# Altium PCB RemoteControl.PcbDoc (part 1 of 2) (continued)
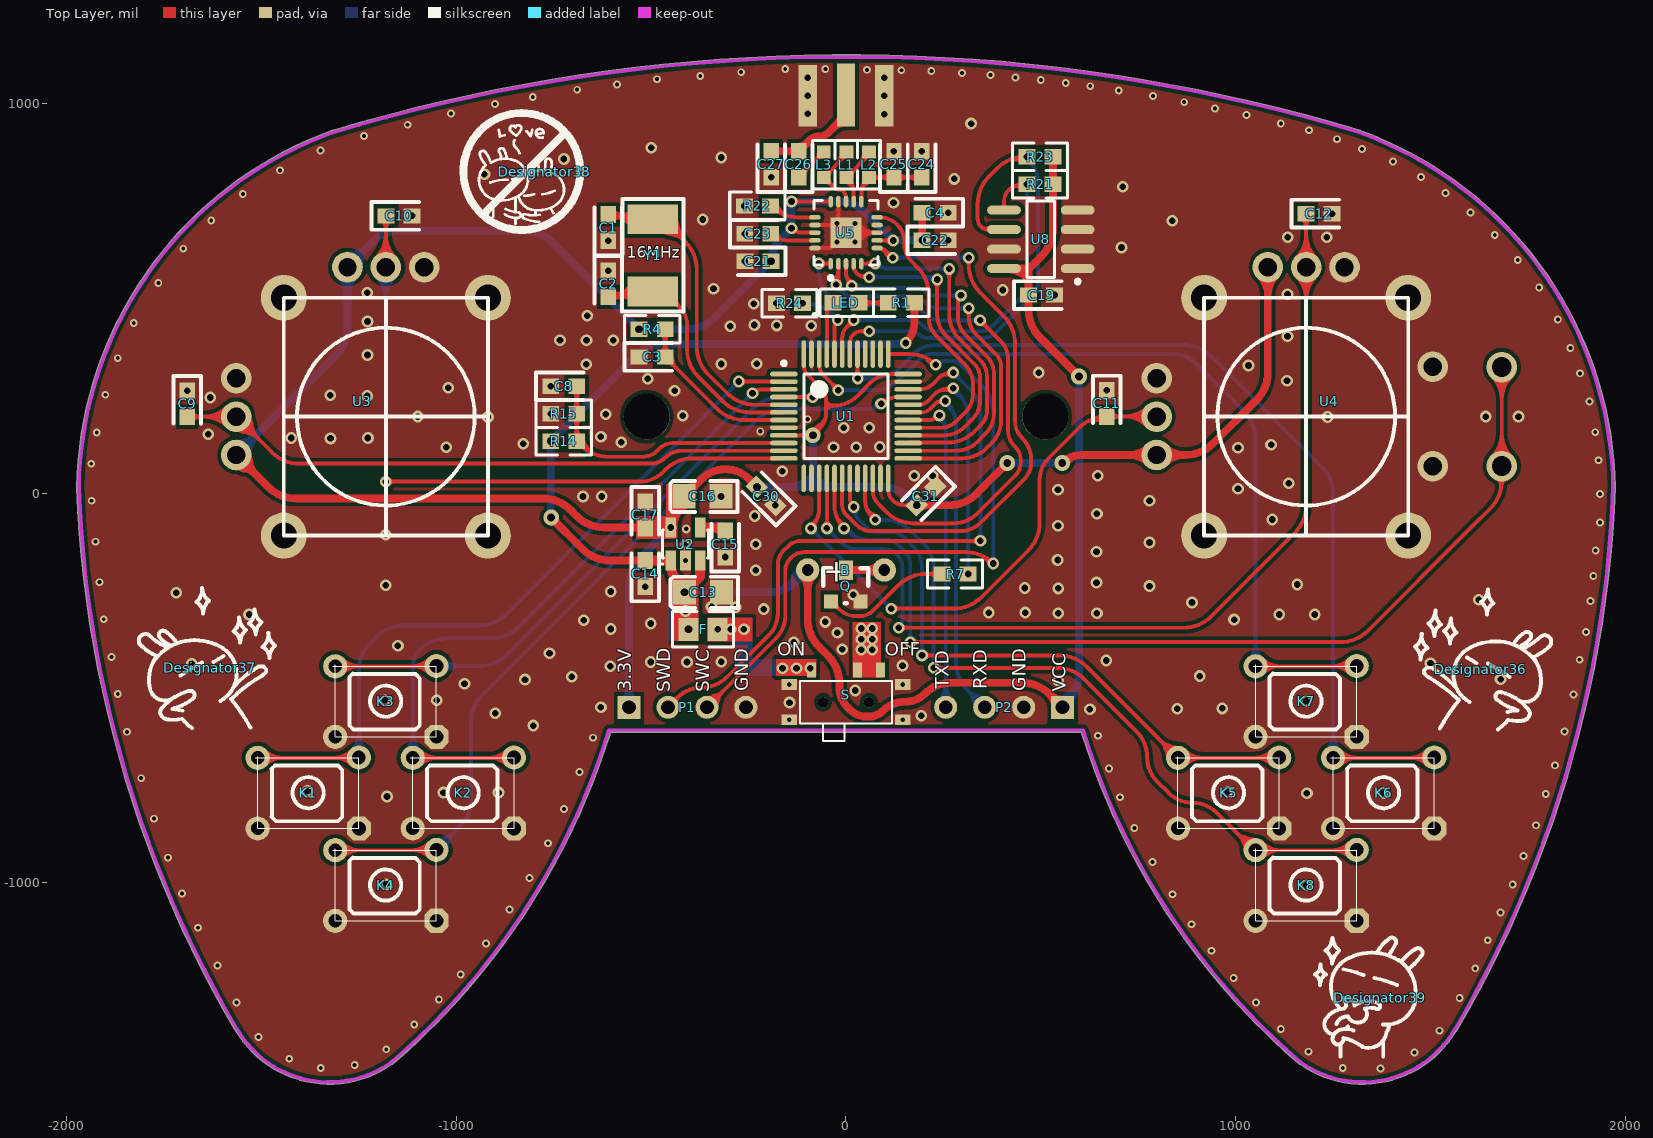
[diagram p0: Top Layer view]
## Nets (pads, with @x,y where several pads share a name; then routed paths per layer and width w, separated by ;. In a path a pad name is that pad's centre, name@x,y a point inside that pad or via, vN(x,y) a via of type N, cw(c..) or ccw(c..) an arc to the next point about the centre after c; other vN are vias at no path point) (continued)
  Bottom Layer w20: U3.1@-1564.96,98.43 -1308.82,354.57 ccw(c-1379.53,425.28) -1279.53,425.28 ; -1279.53,465 -1279.53,425.28 ; P1.1@-557,-549 -557,-236.7 cw(c-457,-236.7) -527.71,-165.98 v1(-449.4,-87.68) ; v3(-228.66,16.66) -150,16.66 ; v3(-85,149) -85,44 ; 71,699 50.29,719.71 ; 156.81,-7.49 ccw(c179.68,5.71) v3@180.88,-20.67 ; v3(181.34,-30.66) 163.3,-12.63 ccw(c92.59,-83.34) 92.59,16.66 -21.41,16.66 ; v3(195.54,649.6) 121.6,649.6 v1(121,649) 50.29,719.71 ; v3(414,78) v3(555,78) ; -1514.82,148.56 ccw(c-1464.68,98.43) -1535.59,98.43 cw(c-1464.68,98.43) -1514.82,148.56 ; -1514.82,148.56 cw(c-1564.96,198.7) -1564.96,127.8 ccw(c-1564.96,198.7) -1514.82,148.56 ; -1279.53,425.28 U3.4@-1279.53,580.71 -1215.53,644.71 cw(c-1144.81,574) -1144.81,674 -825.35,674 cw(c-825.35,574) -754.64,644.71 v3(-530.93,421) -408.56,421 ccw(c-408.56,521) -337.84,450.29 v3(-192.54,595.6) cw(c-115.6,595.6) -170,650 v1(-140,680) v1(-140,749) -20.42,749 cw(c-20.42,649) 50.29,719.71 ; -1279.53,509.8 ccw(c-1350.43,509.8) -1300.3,559.94 cw(c-1350.43,509.8) -1279.53,509.8 ; -1279.53,509.8 cw(c-1208.62,509.8) -1258.76,559.94 ccw(c-1208.62,509.8) -1279.53,509.8 ; -1229.39,630.85 ccw(c-1179.25,580.71) -1250.16,580.71 cw(c-1179.25,580.71) -1229.39,630.85 ; -1229.39,630.85 cw(c-1279.53,680.98) -1279.53,610.08 ccw(c-1279.53,680.98) -1229.39,630.85 ; -557,-501.86 ccw(c-509.86,-501.86) -543.19,-535.19 cw(c-509.86,-501.86) -557,-501.86 ; -557,-501.86 cw(c-604.14,-501.86) -570.81,-535.19 ccw(c-604.14,-501.86) -557,-501.86 ; -548,438.07 ccw(c-530.93,455.14) -530.93,431 cw(c-530.93,455.14) -548,438.07 ; -548,438.07 cw(c-565.07,421) -540.93,421 ccw(c-565.07,421) -548,438.07 ; -506.79,421 ccw(c-506.79,396.86) -523.86,413.93 cw(c-506.79,396.86) -506.79,421 ; -506.79,421 cw(c-506.79,445.14) -523.86,428.07 ccw(c-506.79,445.14) -506.79,421 ; -209.61,578.53 ccw(c-226.68,595.6) -202.54,595.6 cw(c-226.68,595.6) -209.61,578.53 ; -209.61,578.53 cw(c-192.54,561.46) -192.54,585.6 ccw(c-192.54,561.46) -209.61,578.53 ; -204.52,16.66 ccw(c-204.52,-7.48) -221.59,9.59 cw(c-204.52,-7.48) -204.52,16.66 ; -204.52,16.66 cw(c-204.52,40.81) -221.59,23.73 ccw(c-204.52,40.81) -204.52,16.66 ; -186.29,618.92 ccw(c-162.97,612.67) -183.88,600.6 cw(c-162.97,612.67) -186.29,618.92 ; -186.29,618.92 cw(c-209.61,625.17) -197.54,604.26 ccw(c-209.61,625.17) -186.29,618.92 ; -150,16.66 ccw(c-150,107.59) -85.7,43.3 ; -150,16.66 -85,16.66 ; -85.7,43.3 ccw(c-21.41,107.59) -85,42.6 ; -85.7,43.3 -85,44 ; -85,16.66 -21.41,16.66 ; -85,16.66 -85,42.6 ; -85,42.6 ccw(c-21.41,107.59) -21.41,16.66 ; -85,42.6 -85,44 ; -85,124.86 ccw(c-109.14,124.86) -92.07,141.93 cw(c-109.14,124.86) -85,124.86 ; -85,124.86 cw(c-60.86,124.86) -77.93,141.93 ccw(c-60.86,124.86) -85,124.86 ; 171.39,649.6 ccw(c171.39,673.74) 188.46,656.67 cw(c171.39,673.74) 171.39,649.6 ; 171.39,649.6 cw(c171.39,625.46) 188.46,642.53 ccw(c171.39,625.46) 171.39,649.6 ; 438.14,78 ccw(c438.14,53.86) 421.07,70.93 cw(c438.14,53.86) 438.14,78 ; 438.14,78 cw(c438.14,102.14) 421.07,85.07 ccw(c438.14,102.14) 438.14,78 ; 530.86,78 ccw(c530.86,102.14) 547.93,85.07 cw(c530.86,102.14) 530.86,78 ; 530.86,78 cw(c530.86,53.86) 547.93,70.93 ccw(c530.86,53.86) 530.86,78 ; 149.93,-4.9 cw(c126.59,-45.33) 171.68,-33.25 ccw(c126.59,-45.33) 149.93,-4.9
ADC: C8.2 R14.2 R15.1 U1.10 | length 1350
  Top Layer w10: C8.2@-691,275 R15.1@-691,204 R14.2@-691,134 -680.29,123.29 ccw(c-609.58,194) -609.58,94 -521.21,94 ccw(c-521.21,145.21) -485.01,108.99 -479.98,114.02 cw(c-443.54,77.54) -443.54,129.1 ; R14.2@-688.25,129.38 cw(c-684.46,107.1) -664.43,117.57 ; -415,129.1 -443.54,129.1 ; U1.10@-159.45,129.1 -443.54,129.1 ; -691,168.55 ccw(c-726.45,168.55) -701.38,193.62 cw(c-726.45,168.55) -691,168.55 ; -691,168.55 cw(c-655.55,168.55) -680.62,193.62 ccw(c-655.55,168.55) -691,168.55 ; -691,169.45 ccw(c-655.55,169.45) -680.62,144.38 cw(c-655.55,169.45) -691,169.45 ; -691,169.45 cw(c-726.45,169.45) -701.38,144.38 ccw(c-726.45,169.45) -691,169.45 ; -691,239.45 ccw(c-655.55,239.45) -680.62,214.38 cw(c-655.55,239.45) -691,239.45 ; -691,239.45 cw(c-726.45,239.45) -701.38,214.38 ccw(c-726.45,239.45) -691,239.45 ; -691,239.55 ccw(c-726.45,239.55) -701.38,264.62 cw(c-726.45,239.55) -691,239.55 ; -691,239.55 cw(c-655.55,239.55) -680.62,264.62 ccw(c-655.55,239.55) -691,239.55 ; R14.2@-685.83,119.67 cw(c-681.34,99.6) -670.32,116.97 ccw(c-681.34,99.6) R14.2@-685.83,119.67 ; R14.2@-684.46,135.02 ccw(c-658.89,140.74) -672.93,118.62 cw(c-658.89,140.74) R14.2@-684.46,135.02 ; R14.2@-674.7,137.21 ccw(c-625.57,148.19) -652.54,105.69 cw(c-625.57,148.19) R14.2@-674.7,137.21
ADC1: C9.2 U1.11 U3.2 | length 2927.4
  Top Layer w10: C9.2@-1691,196.54 -1690.69,196.85 U3.2@-1564.96,196.85 -1473.53,105.42 ccw(c-1402.81,176.13) -1402.81,76.13 -515,76.13 -502.41,76.13 ccw(c-502.41,132.96) -462.23,92.77 cw(c-422.04,52.59) -422.04,109.42 ; U3.2@-1580.27,193.71 ccw(c-1533.82,203.23) -1546.09,157.42 ; U3.2@-1570.48,195.72 ccw(c-1516.09,206.86) -1530.46,153.23 ; U3.2@-1565.07,192.48 cw(c-1565.97,157.89) -1532.55,166.85 ; U3.2@-1563.83,202.37 cw(c-1574.97,147.98) -1521.35,162.35 ; U3.2@-1561.82,212.16 cw(c-1571.34,165.71) -1525.53,177.98 ; U3.2@-1560.59,196.96 ccw(c-1526,197.86) -1534.96,164.44 ; -400,109.42 -422.04,109.42 ; U1.11@-159.45,109.42 -422.04,109.42 ; -1647.94,196.85 ccw(c-1647.94,279.83) -1589.26,221.15 cw(c-1647.94,279.83) -1647.94,196.85 ; -1647.94,196.85 cw(c-1647.94,113.87) -1589.26,172.55 ccw(c-1647.94,113.87) -1647.94,196.85 ; -1623.79,196.85 ccw(c-1623.79,255.68) -1582.19,214.08 cw(c-1623.79,255.68) -1623.79,196.85 ; -1623.79,196.85 cw(c-1623.79,138.02) -1582.19,179.62 ccw(c-1623.79,138.02) -1623.79,196.85 ; -1523.36,155.25 ccw(c-1564.96,113.65) -1564.96,172.48 cw(c-1564.96,113.65) -1523.36,155.25 ; -1523.36,155.25 cw(c-1481.76,196.85) -1540.59,196.85 ccw(c-1481.76,196.85) -1523.36,155.25 ; -1506.29,138.18 ccw(c-1564.96,79.5) -1564.96,162.48 cw(c-1564.96,79.5) -1506.29,138.18 ; -1506.29,138.18 cw(c-1447.61,196.85) -1530.59,196.85 ccw(c-1447.61,196.85) -1506.29,138.18 ; C9.2@-1680.62,186.15 cw(c-1654.79,160.33) -1654.79,196.85 ccw(c-1654.79,160.33) C9.2@-1680.62,186.15 ; C9.2@-1680.62,206.92 ccw(c-1656.31,231.23) -1656.31,196.85 cw(c-1656.31,231.23) C9.2@-1680.62,206.92
ADC2: C10.1 U1.12 U3.5 | length 2881.5
  Top Layer w10: U3.5@-1181.1,580.71 -1181.1,711.36 C10.1@-1180.46,712 ; v1(-1181,30) -529.36,30 ccw(c-529.36,115.36) -469.04,54.96 ; -469,55 cw(c-529.36,115.36) -469.04,54.96 ; -463,61 cw(c-393.64,-8.36) -462.96,61.04 ; -387,89.73 -393.64,89.73 ; U1.12@-159.45,89.73 -393.64,89.73 ; -1181.1,639.54 ccw(c-1122.27,639.54) -1163.87,597.94 cw(c-1122.27,639.54) -1181.1,639.54 ; -1181.1,639.54 cw(c-1239.94,639.54) -1198.33,597.94 ccw(c-1239.94,639.54) -1181.1,639.54 ; -1181.1,663.68 ccw(c-1098.13,663.68) -1156.8,605.01 cw(c-1098.13,663.68) -1181.1,663.68 ; -1181.1,663.68 cw(c-1264.08,663.68) -1205.41,605.01 ccw(c-1264.08,663.68) -1181.1,663.68 ; -1156.86,30 ccw(c-1156.86,5.86) -1173.93,22.93 cw(c-1156.86,5.86) -1156.86,30 ; -1156.86,30 cw(c-1156.86,54.14) -1173.93,37.07 ccw(c-1156.86,54.14) -1156.86,30 ; -469.04,54.96 -462.96,61.04 ; -462.96,61.04 cw(c-393.64,-8.36) -393.64,89.73 ; C10.1@-1190.85,701.62 cw(c-1214.38,678.09) -1181.1,678.09 ccw(c-1214.38,678.09) C10.1@-1190.85,701.62 ; -1181.1,675.01 cw(c-1143.47,675.01) -1170.08,701.62 ccw(c-1143.47,675.01) -1181.1,675.01
  Bottom Layer w10: U3.5@-1181.1,580.71 -1181.1,30.1 v1(-1181,30) ; -1181.1,497.73 ccw(c-1264.08,497.73) -1205.41,556.4 cw(c-1264.08,497.73) -1181.1,497.73 ; -1181.1,497.73 cw(c-1098.13,497.73) -1156.8,556.4 ccw(c-1098.13,497.73) -1181.1,497.73 ; -1181.1,521.87 ccw(c-1239.94,521.87) -1198.33,563.48 cw(c-1239.94,521.87) -1181.1,521.87 ; -1181.1,521.87 cw(c-1122.27,521.87) -1163.87,563.48 ccw(c-1122.27,521.87) -1181.1,521.87 ; v1@-1188.07,37.07 ccw(c-1204.9,53.9) -1181.1,53.9 cw(c-1204.9,53.9) v1@-1188.07,37.07 ; -1181.1,54.39 ccw(c-1156.61,54.39) -1173.93,37.07 cw(c-1156.61,54.39) -1181.1,54.39
ADC3: 
ADC4: 
ADC5: C11.2 U1.15 U4.2 | length 2393.8
  Top Layer w10: v1(-90,-90) ccw(c-140.94,-39.06) -68.9,-39.06 ; -68.9,-20 -68.9,-39.06 ; U1.15@-68.9,38.55 -68.9,-39.06 ; v1(116,-296) 276.58,-296 ccw(c276.58,-196) 347.29,-266.71 467.71,-146.29 ccw(c397,-75.58) 497,-75.58 497,34.47 cw(c575.53,34.47) 519.98,89.98 596,166 598.25,168.25 cw(c668.96,97.54) C11.2@669,197.54 ; C11.2@669,197.54 796.56,197.54 U4.2@797.24,196.85 ; 140.14,-296 ccw(c140.14,-320.14) 123.07,-303.07 cw(c140.14,-320.14) 140.14,-296 ; 140.14,-296 cw(c140.14,-271.86) 123.07,-288.93 ccw(c140.14,-271.86) 140.14,-296 ; 704.45,197.54 ccw(c704.45,162.08) 679.38,187.15 cw(c704.45,162.08) 704.45,197.54 ; 704.45,197.54 cw(c704.45,232.99) 679.38,207.92 ccw(c704.45,232.99) 704.45,197.54 ; v1@-92.59,-80.34 ccw(c-98.87,-56.99) -77.92,-69.07 cw(c-98.87,-56.99) v1@-92.59,-80.34 ; v1@-80.34,-87.41 cw(c-57.07,-81.15) -77.95,-69.12 ccw(c-57.07,-81.15) v1@-80.34,-87.41 ; 629.7,187.46 cw(c640.15,146.78) 661.52,182.93 ccw(c640.15,146.78) 629.7,187.46 ; 638.67,189.76 ccw(c631.48,217.76) 656.36,203.04 cw(c631.48,217.76) 638.67,189.76 ; 712.61,197.54 cw(c712.61,112.22) 772.94,172.55 ccw(c712.61,112.22) 712.61,197.54 ; 715.92,197.54 ccw(c715.92,278.17) 772.94,221.15 cw(c715.92,278.17) 715.92,197.54 ; 736.75,197.54 cw(c736.75,136.36) 780.01,179.62 ccw(c736.75,136.36) 736.75,197.54 ; 740.07,197.54 ccw(c740.07,254.03) 780.01,214.08 cw(c740.07,254.03) 740.07,197.54
  Bottom Layer w10: v1(-90,-90) v1(116,-296) ; -72.93,-107.07 ccw(c-90,-124.14) -90,-100 cw(c-90,-124.14) -72.93,-107.07 ; -72.93,-107.07 cw(c-55.86,-90) -80,-90 ccw(c-55.86,-90) -72.93,-107.07 ; 98.93,-278.93 ccw(c116,-261.86) 116,-286 cw(c116,-261.86) 98.93,-278.93 ; 98.93,-278.93 cw(c81.86,-296) 106,-296 ccw(c81.86,-296) 98.93,-278.93
ADC6: C12.1 U1.16 U4.5 | length 3771.3
  Top Layer w10: U1.16@-49.21,38.55 -49.21,-89.79 v1(-49,-90) ; v1(135,-345) 866.58,-345 ccw(c866.58,-245) 937.29,-315.71 1127,-126 1151.81,-101.19 ccw(c1081.1,-30.48) 1181.1,-30.48 ; C12.1@1180.54,718 1181.1,717.43 U4.5@1181.1,580.71 1181.1,-30.48 ; 1181.1,-17 1181.1,-30.48 ; 159.14,-345 ccw(c159.14,-369.14) 142.07,-352.07 cw(c159.14,-369.14) 159.14,-345 ; 159.14,-345 cw(c159.14,-320.86) 142.07,-337.93 ccw(c159.14,-320.86) 159.14,-345 ; 1181.1,497.73 ccw(c1098.13,497.73) 1156.8,556.4 cw(c1098.13,497.73) 1181.1,497.73 ; 1181.1,497.73 cw(c1264.08,497.73) 1205.41,556.4 ccw(c1264.08,497.73) 1181.1,497.73 ; 1181.1,521.87 ccw(c1122.27,521.87) 1163.87,563.48 cw(c1122.27,521.87) 1181.1,521.87 ; 1181.1,521.87 cw(c1239.94,521.87) 1198.33,563.48 ccw(c1239.94,521.87) 1181.1,521.87 ; 1181.1,639.54 ccw(c1239.94,639.54) 1198.33,597.94 cw(c1239.94,639.54) 1181.1,639.54 ; 1181.1,639.54 cw(c1122.27,639.54) 1163.87,597.94 ccw(c1122.27,639.54) 1181.1,639.54 ; 1181.1,663.68 ccw(c1264.08,663.68) 1205.41,605.01 cw(c1264.08,663.68) 1181.1,663.68 ; 1181.1,663.68 cw(c1098.13,663.68) 1156.8,605.01 ccw(c1098.13,663.68) 1181.1,663.68 ; v1@-56.07,-82.93 ccw(c-72.63,-66.37) -49.21,-66.37 cw(c-72.63,-66.37) v1@-56.07,-82.93 ; -49.21,-65.35 ccw(c-24.35,-65.35) -41.93,-82.93 cw(c-24.35,-65.35) -49.21,-65.35 ; C12.1@1170.15,707.62 cw(c1143.72,681.18) 1181.1,681.18 ccw(c1143.72,681.18) C12.1@1170.15,707.62 ; 1181.1,683.91 cw(c1214.62,683.91) 1190.92,707.62 ccw(c1214.62,683.91) 1181.1,683.91
  Bottom Layer w10: v1(-49,-90) -12.97,-126.03 ccw(c28.04,-84.96) 28.04,-143 97.2,-143 cw(c97.2,-190.8) 131,-157 cw(c97.2,-190.8) 145,-190.8 145,-320.86 ; v1(135,-345) ccw(c110.86,-320.86) 145,-320.86 ; 145,-304 145,-320.86 ; -31.93,-107.07 ccw(c-49,-124.14) -49,-100 cw(c-49,-124.14) -31.93,-107.07 ; -31.93,-107.07 cw(c-14.86,-90) -39,-90 ccw(c-14.86,-90) -31.93,-107.07 ; 143.85,-329.66 ccw(c153.11,-335) 143.75,-340.16 cw(c153.11,-335) 143.85,-329.66 ; 143.85,-329.66 cw(c134.6,-324.33) 134.81,-335 ccw(c134.6,-324.33) 143.85,-329.66
GND: C1.1 C2.1 C3.1 C4.1 C8.1 C9.1 C10.2 C11.1 C12.2 C13.1 C14.1 C15.1 C16.1 C17.1 C19.2 C21.2 C22.2 C23.1 C24.2 C25.2 C27.1 C30.1 C31.1 K1.1 K2.1 K3.1 K4.1 K5.1 K6.1 K7.1 K8.1 P1.4 P2.2 P6.1 pad.0@98.43,1020 pad.0@-98.43,1020 Q.3 R15.2 R22.2 R24.2 S.4 U1.8 U1.23 U1.35 U1.47 U2.2 U3.0 U3.3 U3.6 U4.0 U4.3 U4.6 U4.7 U5.8 U5.14 U5.17 U5.20 U5.21 U8.1 U8.2 U8.3 U8.4 U8.7 | length 969.7
  Top Layer w10: U5.20@-79.72,629.63 -39.37,629.63 v5(-23.62,645.38) U5.21@0,669 ; U5.17@-79.72,688.68 U5.21@-19.68,688.68 ; U5.14@-19.68,748.72 U5.21@-19.68,688.68 ; U5.21@17.72,652.27 cw(c56.53,615.63) 56.53,669 cw(c56.53,722.37) U5.21@17.72,685.73 ; U5.21@21.61,645.4 cw(c38.52,645.23) U5.21@29.65,659.62 ; U5.21@21.61,692.6 ccw(c38.52,692.77) U5.21@29.65,678.38 ; U5.21@24.99,645.4 cw(c79.72,593.73) U5.8@79.72,669 cw(c79.72,744.27) U5.21@24.99,692.6 ; U5.21@25.47,653.15 ccw(c30.47,674.24) 41.84,655.79 ; U5.21@25.47,684.85 cw(c30.47,663.76) 41.84,682.21 ; U5.21@31.4,643.53 cw(c47.86,639.62) U5.21@38.98,654.03 ; U5.21@31.4,694.47 ccw(c47.86,698.38) U5.21@38.98,683.97 ; U5.21@31.61,645.3 cw(c59.94,645.02) 45.08,669.13 ; U5.21@31.61,692.7 ccw(c59.94,692.98) 45.08,668.87 ; U5.8@79.72,669 U5.21@0,669 ; U5.21@-37.27,631.73 ccw(c-50.91,645.38) -31.61,645.38 cw(c-50.91,645.38) U5.21@-37.27,631.73 ; U5.21@-37.27,631.73 cw(c-23.62,618.09) -23.62,637.39 ccw(c-23.62,618.09) U5.21@-37.27,631.73 ; U5.21@-29.27,698.27 cw(c-52.42,721.42) -52.42,688.68 ccw(c-52.42,721.42) U5.21@-29.27,698.27 ; U5.21@-29.27,698.27 ccw(c-52.42,721.42) -19.68,721.42 cw(c-52.42,721.42) U5.21@-29.27,698.27 ; U5.21@-19.68,688.68 U5.21@0,669 ; U5.21@-9.98,659.02 ccw(c3.66,645.38) -15.63,645.38 cw(c3.66,645.38) U5.21@-9.98,659.02 ; U5.21@-9.98,659.02 cw(c-23.62,672.66) -23.62,653.37 ccw(c-23.62,672.66) U5.21@-9.98,659.02 ; U5.21@-9.98,678.98 ccw(c-23.62,665.34) -23.62,684.63 cw(c-23.62,665.34) U5.21@-9.98,678.98 ; U5.21@-9.98,678.98 cw(c3.66,692.62) -15.63,692.62 ccw(c3.66,692.62) U5.21@-9.98,678.98
  other v1: 1181,-1006 -1180,-1003 -1178,-778 1183,-770 1379,-769 -1033,-768 -892,-768 980,-766 -1382,-764 -803,-596 193,-571 -900,-564 626,-554 850,-553 966,-552 -629,-549 -145,-537 1181,-533 -1183,-531 -1050,-531 24,-506 -979,-489 545,-481 -824,-478 1680,-477 -704,-471 908,-469 -605,-444 145,-442 -1679,-437 1500,-436 -501,-433 -408,-433 -320,-432 668,-429 -761,-410 -10,-400 -1150,-391 -134,-382 -22,-358 -604,-348 -501,-334 -53,-330 -673,-326 996,-324 -1532,-311 1112,-311 1203,-311 545,-308 644,-308 366,-306 460,-306 -211,-297 -283,-292 -345,-291 888,-280 1624,-273 19,-260 -1719,-255 -604,-252 545,-244 459,-243 -515,-239.46 779,-238 -1181,-236 1158,-234 643,-229 -232,-197 543,-171 -310,-163.46 643,-150 -232,-131 779,-126 -1181,-106 544,-83 1094,-67 -234,-58 644,-52 -181.34,-30.66 779,-19 -675,-8 -627,-8 -320.76,-8 544,9 1006,12 1136,26 175,45 222,45 646,45 -164,57 1006,117 -1026,118 -32,118 26,118 87,119 1091,125 -828,127 -577,131 -1323,141 -1424,142 -1227,142 -629,145 -1637,152 -6,168 60,168 -919,196 1236,196 -1099,197 1642,197 1726,197 -419,199 -617,203 -757.93,204 -1632,246 -1229,250 -1324,252 -440,263 -1691,263.46 669,264.46 -1021,271 -757.93,275 1132,289 -509,294 495,310 1033,328 -667,331 -320,332 -229,333 -1228,355 -734,393 -666,393 -597,393 1133,403 -297,429 -89,430 -178,431 -235,432 -1228,441 -664,456 -237,487 -178.46,488 535.46,509 1133,511 -1229,515 402,522 -340,525 -610,571.46 -259.46,595.6 707,631 -610,648.54 262.46,649.6 1134,657 1234,657 -259.93,666.6 837,700 -368,703 -1113.54,712 1247.46,718 262.46,720.6 -260.93,737.6 122,746 710,787 278,807 -192,811.13 -928,819 -724,858 -320,862 123,878.06 194,878.06 -500,887 321,949 98,973 -98,974 -98.43,1020 98.43,1020 -98,1067 98,1067
  other v2: 1372,-1476 -1348,-1475 1275,-1475 -1261,-1467 -1429,-1451 1459,-1435 1187,-1433 -1180,-1427 -1508,-1395 1523,-1379 1116,-1375 -1108,-1363 -1564,-1307 1052,-1307 -1045,-1299 1575,-1295 995,-1244 -989,-1235 1615,-1219 -1613,-1212 938,-1174 -924,-1155 1647,-1147 -1663,-1115 887,-1106 1680,-1076 -864,-1068 838,-1029 -1704,-1027 1711,-1004 -812,-987 787,-946 -1740,-935 1739,-931 -765,-898 740,-859 1771,-852 -1776,-835 -724,-810 703,-780 1796,-772 -1809,-731 -684,-715 675,-706 1820,-698 -649,-627 647,-622 -1845,-612 1844,-611 1867,-516 -1869,-515 1883,-427 -1885,-420 1899,-356 -1905,-323 1911,-276 -1916,-228 1918,-212 1924,-147 -1926,-124 1935,-75 -1936,-19 1935,-2 -1937,76 1931,85 -1923,156 1923,157 1908,236 -1901,253 1884,308 -1869,347 1859,373 -1828,437 1827,446 1779,528 -1765,540 1724,599 -1701,628 1665,663 -1629,700 1603,721 -1548,768 1539,771 1476,812 -1453,829 1404,852 -1349,880 1324,884 1260,909 -1237,917 1188,932 -1125,946 1116,949 1028,971 -1014,975 947,988 -901,999 868,1004 -804,1017 788,1020 700,1034 -690,1036 627,1045 -588,1049 564,1053 500,1061 -485,1063 435,1067 -374,1071 371,1074 298,1079 -269,1081 219,1084 142,1086 54,1087 -156,1089 -53,1089
  other v4: -145.67,-581.28 145.67,-581.28 -145.67,-490.72 145.67,-490.72 -412,-172.32 -412,-131
  other v5: 23.62,645.38 -23.62,692.62 23.62,692.62
  other v6: -220,159 -99,190
  other v7: -410,-91
KEY1: K1.2 U1.2 | length 3010
  Top Layer w10: K1.2@-1509.91,-678.9 -1250.95,-678.9 K1.2@-1250.16,-678.11 ; v1(-275,287) -274.58,286.58 U1.2@-159.45,286.58 ; -1471.29,-678.9 ccw(c-1471.29,-717.53) -1498.6,-690.21 cw(c-1471.29,-717.53) -1471.29,-678.9 ; -1471.29,-678.9 cw(c-1471.29,-640.27) -1498.6,-667.58 ccw(c-1471.29,-640.27) -1471.29,-678.9 ; -1447.14,-678.9 ccw(c-1447.14,-741.67) -1491.53,-697.28 cw(c-1447.14,-741.67) -1447.14,-678.9 ; -1447.14,-678.9 cw(c-1447.14,-616.13) -1491.53,-660.51 ccw(c-1447.14,-616.13) -1447.14,-678.9 ; -1314.83,-678.9 ccw(c-1314.83,-613.44) -1268.54,-659.73 cw(c-1314.83,-613.44) -1314.83,-678.9 ; -1311.03,-678.9 cw(c-1311.03,-738.98) -1268.54,-696.49 ccw(c-1311.03,-738.98) -1311.03,-678.9 ; -1290.69,-678.9 ccw(c-1290.69,-637.58) -1261.47,-666.8 cw(c-1290.69,-637.58) -1290.69,-678.9 ; -1286.88,-678.9 cw(c-1286.88,-714.84) -1261.47,-689.42 ccw(c-1286.88,-714.84) -1286.88,-678.9 ; v1@-267.93,279.93 cw(c-251.87,263.87) -251.87,286.58 ccw(c-251.87,263.87) v1@-267.93,279.93 ; v1@-267.93,294.07 ccw(c-249.85,312.15) -249.85,286.58 cw(c-249.85,312.15) v1@-267.93,294.07
  Bottom Layer w10: K1.2@-1250.16,-678.11 -1250.16,-454.58 cw(c-1150.16,-454.58) -1220.87,-383.87 -1205.29,-368.29 cw(c-1134.58,-439) -1134.58,-339 -941,-339 ccw(c-941,-242.43) -872.72,-310.72 ; -866,-304 -872.72,-310.72 ; v1(-275,287) -872.72,-310.72 ; -1250.16,-639.48 ccw(c-1211.53,-639.48) -1238.84,-666.8 cw(c-1211.53,-639.48) -1250.16,-639.48 ; -1250.16,-639.48 cw(c-1288.79,-639.48) -1261.47,-666.8 ccw(c-1288.79,-639.48) -1250.16,-639.48 ; -1250.16,-615.34 ccw(c-1187.39,-615.34) -1231.77,-659.73 cw(c-1187.39,-615.34) -1250.16,-615.34 ; -1250.16,-615.34 cw(c-1312.93,-615.34) -1268.54,-659.73 ccw(c-1312.93,-615.34) -1250.16,-615.34 ; -292.07,269.93 ccw(c-309.14,287) -285,287 cw(c-309.14,287) -292.07,269.93 ; -292.07,269.93 cw(c-275,252.86) -275,277 ccw(c-275,252.86) -292.07,269.93
KEY2: K2.2 U1.3 | length 2818
  Top Layer w10: K2.2@-1111.91,-678.9 -852.95,-678.9 K2.2@-852.16,-678.11 ; v1(-240,257) cw(c-216.1,233.1) -216.1,266.9 U1.3@-159.45,266.9 ; -1073.29,-678.9 ccw(c-1073.29,-717.53) -1100.6,-690.21 cw(c-1073.29,-717.53) -1073.29,-678.9 ; -1073.29,-678.9 cw(c-1073.29,-640.27) -1100.6,-667.58 ccw(c-1073.29,-640.27) -1073.29,-678.9 ; -1049.14,-678.9 ccw(c-1049.14,-741.67) -1093.53,-697.28 cw(c-1049.14,-741.67) -1049.14,-678.9 ; -1049.14,-678.9 cw(c-1049.14,-616.13) -1093.53,-660.51 ccw(c-1049.14,-616.13) -1049.14,-678.9 ; -224.81,265.76 ccw(c-219.64,256.78) -230,256.89 cw(c-219.64,256.78) -224.81,265.76 ; -224.81,265.76 cw(c-229.99,274.75) -235.09,265.71 ccw(c-229.99,274.75) -224.81,265.76 ; -916.83,-678.9 ccw(c-916.83,-613.44) -870.54,-659.73 cw(c-916.83,-613.44) -916.83,-678.9 ; -913.03,-678.9 cw(c-913.03,-738.98) -870.54,-696.49 ccw(c-913.03,-738.98) -913.03,-678.9 ; -892.69,-678.9 ccw(c-892.69,-637.58) -863.47,-666.8 cw(c-892.69,-637.58) -892.69,-678.9 ; -888.88,-678.9 cw(c-888.88,-714.84) -863.47,-689.42 ccw(c-888.88,-714.84) -888.88,-678.9
  Bottom Layer w10: K2.2@-1111.91,-678.9 -1111.91,-445.25 cw(c-1050.75,-445.25) -1094.02,-402.02 ; -1094,-402 -1093.29,-401.29 cw(c-1022.58,-472) -1022.58,-372 -910,-372 ccw(c-910,-273.02) -840.04,-343.04 ; v1(-240,257) -840.01,-343.01 ; -1111.91,-640.27 ccw(c-1073.29,-640.27) -1100.6,-667.58 cw(c-1073.29,-640.27) -1111.91,-640.27 ; -1111.91,-640.27 cw(c-1150.54,-640.27) -1123.23,-667.58 ccw(c-1150.54,-640.27) -1111.91,-640.27 ; -1111.91,-616.13 ccw(c-1049.14,-616.13) -1093.53,-660.51 cw(c-1049.14,-616.13) -1111.91,-616.13 ; -1111.91,-616.13 cw(c-1174.68,-616.13) -1130.3,-660.51 ccw(c-1174.68,-616.13) -1111.91,-616.13 ; -840.04,-343.04 ccw(c-910,-273.02) -840.01,-343.01 ; -840.04,-343.04 -840.01,-343.01 ; -257.07,239.93 ccw(c-274.14,257) -250,257 cw(c-274.14,257) -257.07,239.93 ; -257.07,239.93 cw(c-240,222.86) -240,247 ccw(c-240,222.86) -257.07,239.93
KEY3: K3.2 U1.4 | length 2736
  Top Layer w10: K3.2@-1310.91,-443.9 -1051.95,-443.9 K3.2@-1051.16,-443.11 ; U1.4@-159.45,247.21 -85.21,247.21 v1(-85,247) ; -1272.29,-443.9 ccw(c-1272.29,-482.53) -1299.6,-455.21 cw(c-1272.29,-482.53) -1272.29,-443.9 ; -1272.29,-443.9 cw(c-1272.29,-405.27) -1299.6,-432.58 ccw(c-1272.29,-405.27) -1272.29,-443.9 ; -1248.14,-443.9 ccw(c-1248.14,-506.67) -1292.53,-462.28 cw(c-1248.14,-506.67) -1248.14,-443.9 ; -1248.14,-443.9 cw(c-1248.14,-381.13) -1292.53,-425.51 ccw(c-1248.14,-381.13) -1248.14,-443.9 ; -1115.83,-443.9 ccw(c-1115.83,-378.44) -1069.54,-424.73 cw(c-1115.83,-378.44) -1115.83,-443.9 ; -1112.03,-443.9 cw(c-1112.03,-503.98) -1069.54,-461.49 ccw(c-1112.03,-503.98) -1112.03,-443.9 ; -1091.69,-443.9 ccw(c-1091.69,-402.58) -1062.47,-431.8 cw(c-1091.69,-402.58) -1091.69,-443.9 ; -1087.88,-443.9 cw(c-1087.88,-479.84) -1062.47,-454.42 ccw(c-1087.88,-479.84) -1087.88,-443.9 ; -109.65,247.21 cw(c-109.65,222.35) -92.07,239.93 ccw(c-109.65,222.35) -109.65,247.21 ; -108.63,247.21 ccw(c-108.63,270.63) -92.07,254.07 cw(c-108.63,270.63) -108.63,247.21
  Bottom Layer w10: K3.2@-1051.16,-443.11 -940.53,-443.11 ccw(c-940.53,-343.11) -869.82,-413.82 ; -834,-378 -869.82,-413.82 ; v1(-85,247) -167.58,247 ccw(c-167.58,147) -238.29,217.71 -869.82,-413.82 ; -1012.53,-443.11 ccw(c-1012.53,-481.74) -1039.84,-454.42 cw(c-1012.53,-481.74) -1012.53,-443.11 ; -1012.53,-443.11 cw(c-1012.53,-404.48) -1039.84,-431.8 ccw(c-1012.53,-404.48) -1012.53,-443.11 ; -988.39,-443.11 ccw(c-988.39,-505.88) -1032.77,-461.49 cw(c-988.39,-505.88) -988.39,-443.11 ; -988.39,-443.11 cw(c-988.39,-380.34) -1032.77,-424.73 ccw(c-988.39,-380.34) -988.39,-443.11 ; -109.14,247 ccw(c-109.14,271.14) -92.07,254.07 cw(c-109.14,271.14) -109.14,247 ; -109.14,247 cw(c-109.14,222.86) -92.07,239.93 ccw(c-109.14,222.86) -109.14,247
KEY4: K4.2 U1.33 | length 3316.3
  Top Layer w10: K4.2@-1310.91,-915.9 -1051.95,-915.9 K4.2@-1051.16,-915.11 ; v1(90,230) cw(c131.55,188.45) 131.55,247.21 U1.33@159.45,247.21 ; -1272.29,-915.9 ccw(c-1272.29,-954.53) -1299.6,-927.21 cw(c-1272.29,-954.53) -1272.29,-915.9 ; -1272.29,-915.9 cw(c-1272.29,-877.27) -1299.6,-904.58 ccw(c-1272.29,-877.27) -1272.29,-915.9 ; -1248.14,-915.9 ccw(c-1248.14,-978.67) -1292.53,-934.28 cw(c-1248.14,-978.67) -1248.14,-915.9 ; -1248.14,-915.9 cw(c-1248.14,-853.13) -1292.53,-897.51 ccw(c-1248.14,-853.13) -1248.14,-915.9 ; 110.91,242.07 ccw(c122.99,221.15) 99.66,227.41 cw(c122.99,221.15) 110.91,242.07 ; 110.9,242.07 cw(c98.84,262.97) 92.59,239.66 ccw(c98.84,262.97) 110.9,242.07 ; -1115.83,-915.9 ccw(c-1115.83,-850.44) -1069.54,-896.73 cw(c-1115.83,-850.44) -1115.83,-915.9 ; -1112.03,-915.9 cw(c-1112.03,-975.98) -1069.54,-933.49 ccw(c-1112.03,-975.98) -1112.03,-915.9 ; -1091.69,-915.9 ccw(c-1091.69,-874.58) -1062.47,-903.8 cw(c-1091.69,-874.58) -1091.69,-915.9 ; -1087.88,-915.9 cw(c-1087.88,-951.84) -1062.47,-926.42 ccw(c-1087.88,-951.84) -1087.88,-915.9
  Bottom Layer w10: K4.2@-1055.08,-914.31 cw(c-1013.73,-922.77) -1024.65,-882.01 ; K4.2@-1051.16,-915.11 -991.29,-855.24 ccw(c-1062,-784.53) -962,-784.53 -962,-586.42 cw(c-862,-586.42) -932.71,-515.71 -230.29,186.71 cw(c-159.58,116) -159.58,216 56.2,216 ccw(c56.2,263.8) v1(90,230) ; K4.2@-1050.36,-919.03 ccw(c-1058.82,-877.68) -1018.06,-888.61 ; 71.3,216.94 cw(c80.56,211.59) v1@85.44,221.1 ; -1023.84,-887.8 ccw(c-996.53,-915.11) -1035.16,-915.11 cw(c-996.53,-915.11) -1023.84,-887.8 ; -1023.84,-887.8 cw(c-1051.16,-860.48) -1051.16,-899.11 ccw(c-1051.16,-860.48) -1023.84,-887.8 ; -1006.77,-870.73 ccw(c-962.39,-915.11) -1025.16,-915.11 cw(c-962.39,-915.11) -1006.77,-870.73 ; -1006.77,-870.73 cw(c-1051.16,-826.34) -1051.16,-889.11 ccw(c-1051.16,-826.34) -1006.77,-870.73 ; 69.09,217.93 ccw(c57.02,238.84) 80.34,232.59 cw(c57.02,238.84) 69.09,217.93 ; 69.09,217.93 cw(c81.16,197.02) 87.41,220.34 ccw(c81.16,197.02) 69.09,217.93
KEY5: K5.2 U1.19 | length 2927.8
  Top Layer w10: 9.84,-5 9.84,-10.48 ; U1.19@9.84,38.55 9.84,-10.48 ; v1(20,-35) cw(c44.52,-10.48) 9.84,-10.48 ; v1(195,-416) 547.77,-416 cw(c547.77,-516) 618.48,-445.29 ; 630,-456.81 618.48,-445.29 ; 818.98,-652.39 ccw(c859.75,-641.47) K5.2@851.28,-682.82 ; 825.58,-645.8 cw(c814.66,-686.56) K5.2@856,-678.1 ; K5.2@1111.84,-678.11 1111.05,-678.9 K5.2@852.09,-678.9 618.48,-445.29 ; 11.02,-19.45 ccw(c20.65,-13.9) 20.31,-25 cw(c20.65,-13.9) 11.02,-19.45 ; 11.02,-19.45 cw(c1.4,-25.01) 11.19,-30.27 ccw(c1.4,-25.01) 11.02,-19.45 ; 219.14,-416 ccw(c219.14,-440.14) 202.07,-423.07 cw(c219.14,-440.14) 219.14,-416 ; 219.14,-416 cw(c219.14,-391.86) 202.07,-408.93 ccw(c219.14,-391.86) 219.14,-416 ; 807.7,-634.51 ccw(c852.09,-590.13) 852.09,-652.9 cw(c852.09,-590.13) 807.7,-634.51 ; 807.7,-634.51 cw(c763.32,-678.9) 826.09,-678.9 ccw(c763.32,-678.9) 807.7,-634.51 ; 824.77,-651.58 ccw(c852.09,-624.27) 852.09,-662.9 cw(c852.09,-624.27) 824.77,-651.58 ; 824.77,-651.58 cw(c797.46,-678.9) 836.09,-678.9 ccw(c797.46,-678.9) 824.77,-651.58 ; 890.71,-678.9 ccw(c890.71,-717.53) 863.4,-690.21 cw(c890.71,-717.53) 890.71,-678.9 ; 890.71,-678.9 cw(c890.71,-640.27) 863.4,-667.58 ccw(c890.71,-640.27) 890.71,-678.9 ; 914.86,-678.9 ccw(c914.86,-741.67) 870.47,-697.28 cw(c914.86,-741.67) 914.86,-678.9 ; 914.86,-678.9 cw(c914.86,-616.13) 870.47,-660.51 ccw(c914.86,-616.13) 914.86,-678.9 ; 1047.17,-678.9 ccw(c1047.17,-613.44) 1093.46,-659.73 cw(c1047.17,-613.44) 1047.17,-678.9 ; 1050.97,-678.9 cw(c1050.97,-738.98) 1093.46,-696.49 ccw(c1050.97,-738.98) 1050.97,-678.9 ; 1071.31,-678.9 ccw(c1071.31,-637.58) 1100.53,-666.8 cw(c1071.31,-637.58) 1071.31,-678.9 ; 1075.12,-678.9 cw(c1075.12,-714.84) 1100.53,-689.42 ccw(c1075.12,-714.84) 1075.12,-678.9
  Bottom Layer w10: v1(20,-35) ccw(c68.28,-35) 34.12,-69.12 55.02,-90.02 ccw(c76.73,-68.27) 76.73,-99 112.37,-99 cw(c112.37,-153.63) 150.98,-114.98 172.99,-136.99 cw(c119.85,-190.13) 195,-190.13 v1(195,-416) ; 26.25,-58.32 ccw(c2.93,-64.57) 15,-43.66 cw(c2.93,-64.57) 26.25,-58.32 ; 26.25,-58.32 cw(c49.57,-52.07) 28.66,-40 ccw(c49.57,-52.07) 26.25,-58.32 ; 195,-391.86 ccw(c219.14,-391.86) 202.07,-408.93 cw(c219.14,-391.86) 195,-391.86 ; 195,-391.86 cw(c170.86,-391.86) 187.93,-408.93 ccw(c170.86,-391.86) 195,-391.86